# Altium PCB 主控板20160428.PcbDoc (part 4 of 4)
Units mm, origin at the board's own origin, x right, y up, seen from the top; angles counter-clockwise.
Board outline 105 x 80 mm, 4 copper layers (Top Layer, GND, VCC, Bottom Layer); 128 components, 190 nets, 667 pads, 283 vias.
Unrouted connection lines stored in the file: 2.
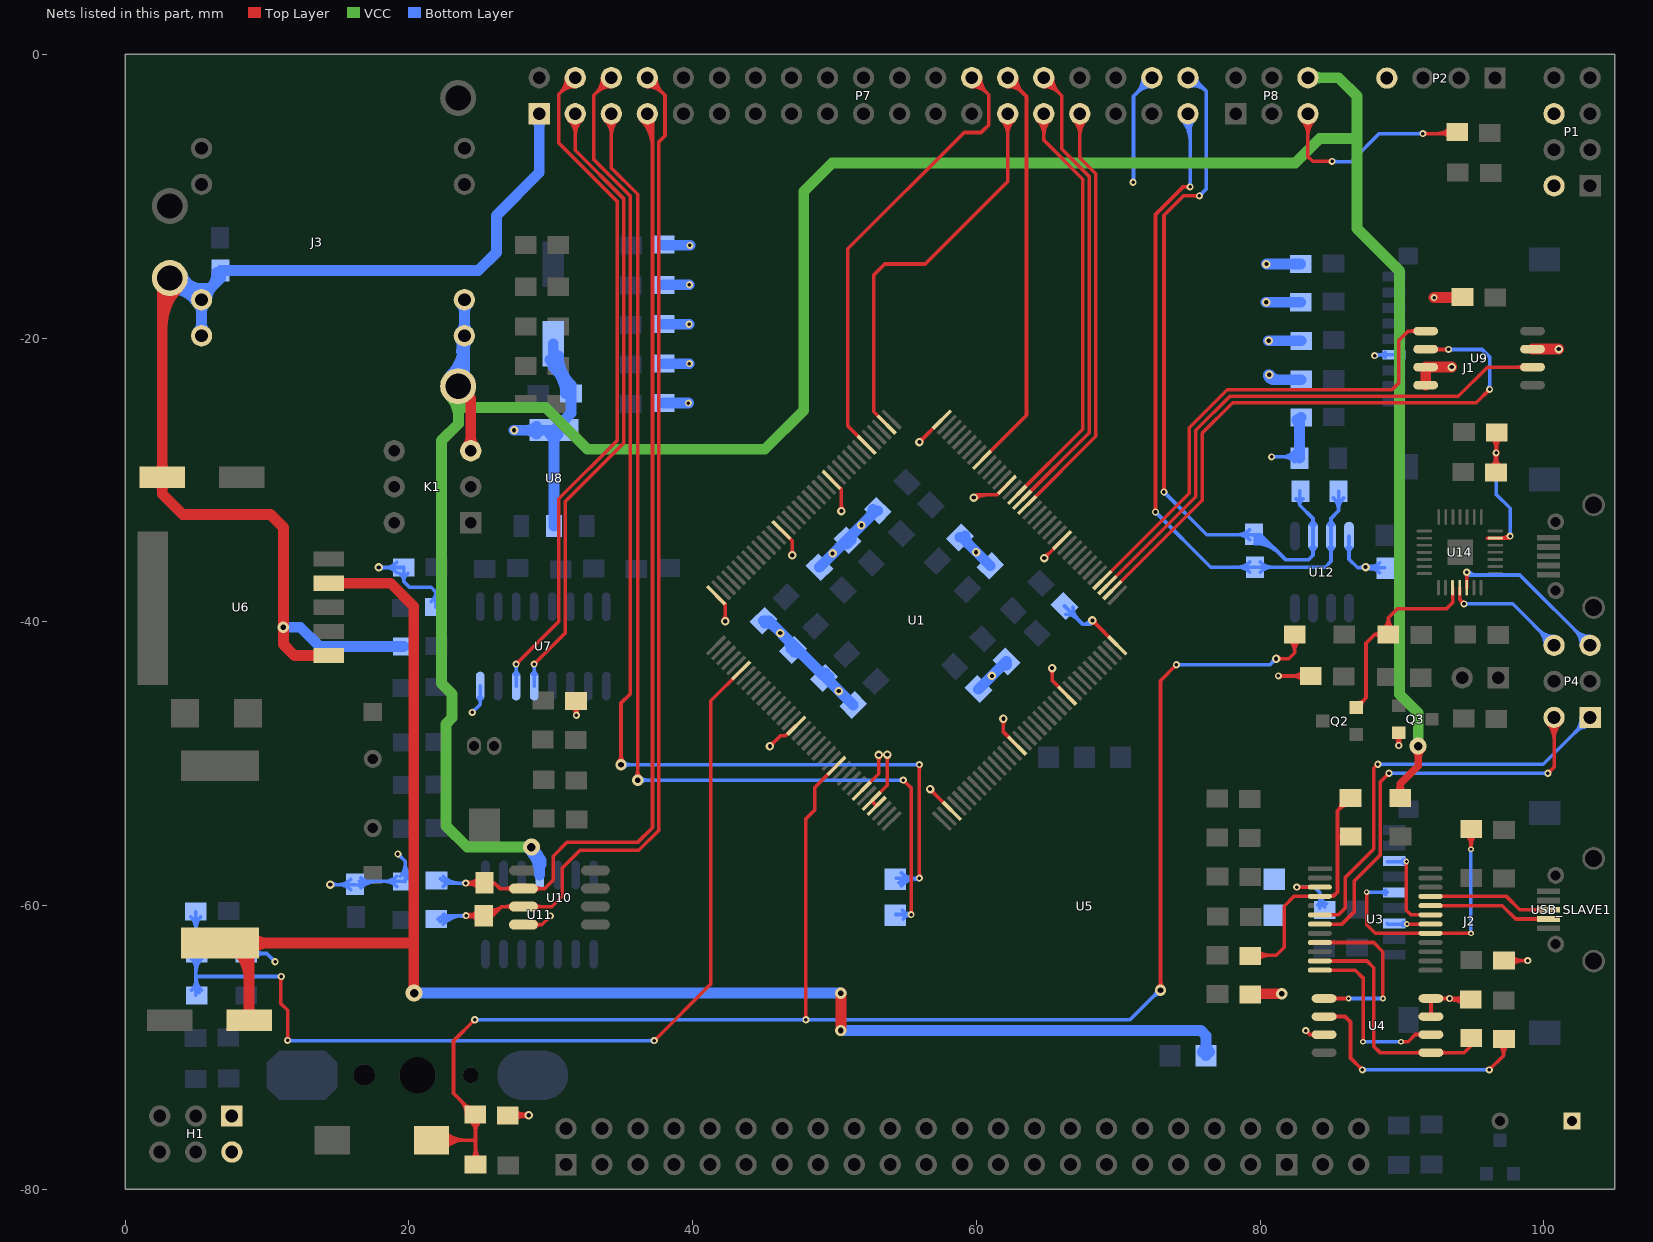
[diagram p6: the nets of this part, all layers, seen from the top]

## Via types
v1: diameter 0.5, hole 0.25, Top Layer to Bottom Layer, 178 vias
v2: diameter 0.6, hole 0.3, Top Layer to Bottom Layer, 54 vias
v3: diameter 1.27, hole 0.711, Top Layer to Bottom Layer, 20 vias
v4: diameter 0.8, hole 0.4, Top Layer to Bottom Layer, 14 vias
v5: diameter 0.406, hole 0.203, Top Layer to Bottom Layer, 12 vias
v6: diameter 1.2, hole 0.6, Top Layer to Bottom Layer, 3 vias
v7: diameter 0.5, hole 0.305, Top Layer to Bottom Layer, 1 vias
v8: diameter 1.5, hole 1, Top Layer to Bottom Layer, 1 vias

## Nets (pads, with @x,y where several pads share a name; then routed paths per layer and width w, separated by ;. In a path a pad name is that pad's centre, name@x,y a point inside that pad or via, vN(x,y) a via of type N, cw(c..) or ccw(c..) an arc to the next point about the centre after c; other vN are vias at no path point) (continued)
RESET: C1.1 D9.1 R4.1 RESET1.1 U1.25 | length 136.9
  Top Layer w0.254: RESET1.1@21.59,-76.53 24.638,-76.53 ; RESET1.1@22.278,-76.968 cw(c23.334,-78.025) 23.334,-76.53 cw(c23.334,-75.036) RESET1.1@22.278,-76.093 ; RESET1.1@22.457,-77.148 cw(c23.948,-78.638) 23.948,-76.53 cw(c23.948,-74.423) RESET1.1@22.457,-75.913 ; 23.605,-73.694 cw(c22.521,-74.778) R4.1@24.054,-74.778 ; 23.911,-74 ccw(c24.562,-73.35) R4.1@24.562,-74.27 ; R4.1@24.038,-74.127 cw(c23.388,-74.778) R4.1@24.308,-74.778 ; R4.1@24.33,-75.137 cw(c23.462,-76.004) 24.689,-76.004 cw(c25.915,-76.004) R4.1@25.048,-75.137 ; C1.1@24.355,-77.949 ccw(c23.549,-77.143) 24.689,-77.143 ; v1@24.515,-68.047 cw(c24.218,-68.047) 24.428,-68.257 cw(c24.638,-68.467) v1@24.638,-68.17 ; v1(24.638,-68.047) 23.139,-69.545 23.139,-73.228 24.689,-74.778 C1.1@24.689,-78.283 ; C1.1@24.689,-77.634 ccw(c25.389,-77.634) C1.1@24.894,-78.129 ; 24.689,-77.02 ccw(c26.002,-77.02) C1.1@25.073,-77.949 ; v1@47.894,-67.96 ccw(c47.684,-67.75) 47.981,-67.75 ccw(c48.278,-67.75) v1@48.068,-67.96 ; v1(47.981,-68.047) 47.981,-53.873 48.616,-53.238 48.616,-51.666 U1.25@50.134,-50.147 ; v4@72.781,-65.771 ccw(c72.315,-65.305) 72.974,-65.305 ccw(c73.633,-65.305) v4@73.167,-65.771 ; v4(72.974,-65.964) 72.974,-44.145 v1(74.092,-43.028) ; v1@73.969,-43.028 cw(c73.672,-43.028) 73.882,-43.238 cw(c74.092,-43.448) v1@74.092,-43.151 ; v2(81.118,-42.596) 82.017,-42.596 82.423,-42.189 D9.1@82.423,-40.894 ; v2@81.24,-42.718 cw(c81.535,-43.013) 81.535,-42.596 cw(c81.535,-42.178) v2@81.24,-42.473 ; D9.1@82.064,-41.253 cw(c81.197,-42.12) 82.423,-42.12 cw(c83.649,-42.12) D9.1@82.782,-41.253
  Bottom Layer w0.254: v1(24.638,-68.047) v1(47.981,-68.047) 70.815,-68.047 v4@72.771,-66.091 ; v1@24.725,-68.134 cw(c24.935,-68.344) 24.935,-68.047 cw(c24.935,-67.75) v1@24.725,-67.96 ; v1@47.894,-68.134 ccw(c47.684,-68.344) 47.684,-68.047 ccw(c47.684,-67.75) v1@47.894,-67.96 ; v1@48.068,-68.134 cw(c48.278,-68.344) 48.278,-68.047 cw(c48.278,-67.75) v1@48.068,-67.96 ; 72.378,-66.484 cw(c72.974,-67.08) v4@72.974,-66.237 ; 72.562,-66.3 ccw(c72.226,-65.964) v4@72.701,-65.964 ; v1(74.092,-43.028) 80.686,-43.028 v2(81.118,-42.596) ; v1@74.179,-43.115 cw(c74.389,-43.325) 74.389,-43.028 cw(c74.389,-42.731) v1@74.179,-42.941 ; v2@80.945,-42.596 cw(c80.527,-42.596) 80.822,-42.891 cw(c81.118,-43.186) v2@81.118,-42.769
RS485_1A: P7.7 R32.1 R33.1 U10.6 | length 82
  Top Layer w0.254: v1(24.003,-58.42) 25.273,-58.42 26.035,-58.42 ; v1@24.065,-58.527 cw(c24.232,-58.817) 24.319,-58.493 ; v1@24.064,-58.313 ccw(c24.232,-58.023) 24.319,-58.347 ; v1@24.09,-58.507 cw(c24.3,-58.717) 24.3,-58.42 cw(c24.3,-58.123) v1@24.09,-58.333 ; v1@24.11,-58.481 cw(c24.333,-58.611) 24.266,-58.361 ; v1@24.11,-58.358 ccw(c24.333,-58.229) 24.266,-58.479 ; R33.1@24.914,-58.779 ccw(c24.047,-59.646) 24.047,-58.42 ccw(c24.047,-57.194) R33.1@24.914,-58.061 ; R33.1@25.742,-58.615 cw(c26.035,-58.737) 26.035,-58.42 ; R33.1@25.742,-58.225 ccw(c26.035,-58.103) 26.035,-58.42 ; U10.6@27.245,-58.963 ccw(c26.855,-59.353) 26.855,-58.801 ccw(c26.855,-58.249) U10.6@27.245,-58.639 ; U10.6@28.889,-58.963 cw(c29.279,-59.353) 29.279,-58.801 cw(c29.279,-58.249) U10.6@28.889,-58.639 ; P7.7@36.364,-4.632 cw(c34.432,-6.563) 37.164,-6.563 ; P7.7@36.544,-4.452 cw(c35.046,-5.95) 37.164,-5.95 ; P7.7@36.723,-4.272 cw(c35.659,-5.337) 37.164,-5.337 ; P7.7@36.805,-4.191 37.164,-4.551 37.164,-54.504 36.144,-55.524 31.166,-55.524 30.175,-56.515 30.175,-58.191 29.566,-58.801 U10.6@28.067,-58.801 26.416,-58.801 26.035,-58.42
  Bottom Layer w0.254: R32.1@22.227,-58.113 ccw(c22.967,-57.373) 22.967,-58.42 ccw(c22.967,-59.213) R32.1@22.406,-58.652 ; R32.1@22.406,-57.934 ccw(c23.58,-56.76) 23.58,-58.42 ; R32.1@22.606,-58.42 v1(24.003,-58.42) ; v1@23.916,-58.507 ccw(c23.706,-58.717) 23.706,-58.42 ccw(c23.706,-58.123) v1@23.916,-58.333
RS485_1B: P7.8 R33.2 R34.2 U10.7 | length 90.1
  Top Layer w0.254: v1(24.028,-60.706) R33.2@25.273,-60.706 25.908,-60.706 26.543,-60.071 ; v1@24.09,-60.813 cw(c24.246,-61.084) 24.327,-60.781 ; v1@24.09,-60.599 ccw(c24.246,-60.328) 24.327,-60.631 ; v1@24.115,-60.793 cw(c24.325,-61.003) 24.325,-60.706 cw(c24.325,-60.409) v1@24.115,-60.619 ; v1@24.135,-60.767 cw(c24.378,-60.908) 24.305,-60.637 ; v1@24.135,-60.645 ccw(c24.378,-60.504) 24.305,-60.775 ; R33.2@24.914,-61.065 ccw(c24.047,-61.932) 24.047,-60.706 ccw(c24.047,-59.48) R33.2@24.914,-60.347 ; R33.2@25.129,-60.788 ccw(c25.47,-60.293) R33.2@25.896,-60.718 ; R33.2@25.273,-60.579 ccw(c25.646,-60.037) 26.112,-60.502 ; R33.2@25.417,-60.37 ccw(c25.822,-59.782) 26.327,-60.287 ; R33.2@25.561,-60.161 ccw(c25.998,-59.526) 26.543,-60.071 ; U10.7@27.245,-60.233 ccw(c26.855,-60.623) 26.855,-60.071 ccw(c26.855,-59.519) U10.7@27.245,-59.909 ; U10.7@28.889,-60.233 cw(c29.279,-60.623) 29.279,-60.071 cw(c29.279,-59.519) U10.7@28.889,-59.909 ; P7.8@36.805,-2.274 cw(c36.805,-3.778) 37.868,-2.715 cw(c38.932,-1.651) P7.8@37.428,-1.651 ; P7.8@36.805,-2.02 cw(c36.805,-2.911) 37.435,-2.281 cw(c38.064,-1.651) P7.8@37.174,-1.651 ; P7.8@36.805,-1.651 38.049,-2.896 38.049,-5.74 37.621,-6.168 37.621,-54.694 36.207,-56.109 32.055,-56.109 30.81,-57.353 30.81,-59.334 30.074,-60.071 U10.7@28.067,-60.071 26.543,-60.071
  Bottom Layer w0.254: R34.2@22.047,-60.96 cw(c22.66,-61.573) R34.2@22.66,-60.706 ; R34.2@22.227,-61.14 cw(c23.274,-62.186) 23.274,-60.706 ; R34.2@22.406,-61.319 cw(c23.887,-62.8) v1@23.887,-60.706 ; R34.2@22.479,-60.96 22.733,-60.706 v1(24.028,-60.706) ; 23.662,-60.754 cw(c23.745,-61.142) v1@23.961,-60.809 ; v1@23.941,-60.793 ccw(c23.731,-61.003) 23.731,-60.706 ccw(c23.731,-60.409) v1@23.941,-60.619 ; R34.2@22.66,-60.706 cw(c22.66,-60.347) 22.406,-60.601 ccw(c22.66,-60.347) R34.2@22.66,-60.706
RS485_2A: P7.38 R37.1 R38.1 U12.6 | length 63.2
  Top Layer w0.254: v1@73.129,-30.761 ccw(c72.919,-30.551) 73.215,-30.551 ccw(c73.512,-30.551) v1@73.302,-30.761 ; v1(73.215,-30.848) 73.215,-11.335 74.569,-9.982 v1(75.717,-9.982) ; v1@75.63,-10.069 ccw(c75.42,-10.279) 75.42,-9.982 ccw(c75.42,-9.685) v1@75.63,-9.895
  Bottom Layer w0.254: v1@73.215,-30.971 cw(c73.215,-31.268) 73.425,-31.058 cw(c73.635,-30.848) v1@73.338,-30.848 ; v1(73.215,-30.848) 76.225,-33.858 79.629,-33.858 80.035,-33.858 81.813,-35.636 83.388,-35.636 83.718,-35.306 U12.6@83.718,-33.96 83.718,-32.715 82.779,-31.775 ; P7.38@74.905,-1.651 75.26,-1.651 76.2,-2.591 ; P7.38@74.987,-2.011 cw(c75.2,-2.941) 75.875,-2.266 ; P7.38@75.044,-2.258 cw(c75.321,-3.469) 76.2,-2.591 ; P7.38@75.528,-1.651 ccw(c76.173,-1.651) 75.717,-2.107 ; v1(75.717,-9.982) 76.2,-9.5 76.2,-2.591 ; v1@75.717,-9.859 ccw(c75.717,-9.562) 75.927,-9.772 ccw(c76.137,-9.982) v1@75.84,-9.982 ; R38.1@79.27,-34.217 ccw(c78.403,-35.085) 78.403,-33.858 ccw(c78.403,-32.632) R38.1@79.27,-33.499 ; R38.1@79.629,-34.493 cw(c79.629,-37.007) 81.407,-35.23 ; R38.1@79.629,-34.239 cw(c79.629,-36.14) 80.973,-34.796 ; R38.1@79.629,-33.985 cw(c79.629,-35.273) 80.54,-34.362 ; R37.1@82.521,-31.324 cw(c82.255,-31.775) 82.779,-31.775 ; R37.1@82.779,-30.759 82.779,-31.775 ; R37.1@83.036,-31.324 ccw(c83.302,-31.775) 82.779,-31.775 ; U12.6@83.557,-34.782 cw(c83.167,-35.172) 83.718,-35.172 cw(c84.27,-35.172) U12.6@83.88,-34.782 ; U12.6@83.557,-33.138 ccw(c83.167,-32.748) 83.718,-32.748 ccw(c84.27,-32.748) U12.6@83.88,-33.138
RS485_2B: P7.37 R38.2 R39.2 U12.7 | length 61.6
  Top Layer w0.254: v1@72.532,-32.171 ccw(c72.322,-31.961) 72.619,-31.961 ccw(c72.916,-31.961) v1@72.706,-32.171 ; v1(72.619,-32.258) 72.619,-11.286 74.557,-9.347 v1(75.057,-9.347) ; v1@74.97,-9.434 ccw(c74.76,-9.644) 74.76,-9.347 ccw(c74.76,-9.05) v1@74.97,-9.26
  Bottom Layer w0.254: v1@72.619,-32.381 cw(c72.619,-32.678) 72.829,-32.468 cw(c73.039,-32.258) v1@72.742,-32.258 ; v1(72.619,-32.258) 76.505,-36.144 R38.2@79.629,-36.144 84.582,-36.144 84.988,-35.738 U12.7@84.988,-33.96 84.988,-32.715 85.522,-32.182 R39.2@85.522,-30.785 ; P7.37@74.464,-4.632 cw(c73.033,-6.063) 75.057,-6.063 ; P7.37@74.644,-4.452 cw(c73.646,-5.45) 75.057,-5.45 ; P7.37@74.905,-4.191 75.057,-4.343 v1(75.057,-9.347) ; v1@74.97,-9.26 ccw(c74.76,-9.05) 75.057,-9.05 ccw(c75.354,-9.05) v1@75.144,-9.26 ; 75.057,-5.327 cw(c76.041,-5.327) P7.37@75.345,-4.632 ; R38.2@79.27,-36.503 ccw(c78.403,-37.371) 78.403,-36.144 ccw(c78.403,-34.918) R38.2@79.27,-35.785 ; R38.2@79.988,-36.503 cw(c80.855,-37.371) 80.855,-36.144 cw(c80.855,-34.918) R38.2@79.988,-35.785 ; U12.7@84.827,-34.782 cw(c84.437,-35.172) 84.988,-35.172 cw(c85.54,-35.172) U12.7@85.15,-34.782 ; U12.7@84.827,-33.138 ccw(c84.437,-32.748) 84.988,-32.748 ccw(c85.54,-32.748) U12.7@85.15,-33.138 ; R39.2@85.163,-31.271 cw(c84.295,-32.138) 85.522,-32.138 cw(c86.748,-32.138) R39.2@85.881,-31.271
RTS: Q2.1 R29.2 U14.24 | length 17.8
  Top Layer w0.254: Q2.1@86.773,-46.04 87.452,-45.361 87.452,-41.504 88.062,-40.894 ; Q2.1@86.798,-45.717 ccw(c86.798,-44.998) 87.307,-45.506 ; Q2.1@87.121,-46.04 cw(c87.961,-46.04) 87.367,-45.446 ; R29.2@88.45,-41.129 ccw(c88.062,-41.331) 88.062,-40.894 ; R29.2@88.45,-40.659 cw(c88.062,-40.457) 88.062,-40.894 ; R29.2@88.681,-40.522 ccw(c87.937,-39.726) 89.027,-39.726 ; R29.2@89.373,-40.522 cw(c90.117,-39.726) 89.027,-39.726 ; U14.24@93.558,-37.592 93.558,-38.649 93.116,-39.091 89.662,-39.091 89.027,-39.726 ; 88.062,-40.894 R29.2@89.027,-40.894 89.027,-39.726
RXD: P4.6 U14.25 | length 13.5
  Top Layer w0.254: U14.25@94.056,-37.617 94.056,-38.43 v1(94.361,-38.735) ; v1@94.238,-38.735 ccw(c93.941,-38.735) 94.151,-38.525 ccw(c94.361,-38.315) v1@94.361,-38.612
  Bottom Layer w0.254: v1(94.361,-38.735) 97.79,-38.735 P4.6@100.711,-41.656 ; v1@94.448,-38.822 cw(c94.658,-39.032) 94.658,-38.735 cw(c94.658,-38.438) v1@94.448,-38.648 ; P4.6@100.088,-41.656 ccw(c98.584,-41.656) 99.647,-40.592 ccw(c100.711,-39.529) P4.6@100.711,-41.033 ; P4.6@100.342,-41.656 ccw(c99.451,-41.656) 100.081,-41.026 ccw(c100.711,-40.396) P4.6@100.711,-41.287
SDCLK: J2.5 R16.2 U3.17 | length 22.3
  Top Layer w0.254: v5(87.503,-59.055) 87.503,-61.341 88.116,-61.954 U3.17@92.001,-61.954 v5(94.847,-61.954) v5@94.869,-61.976 ; R16.2@94.51,-54.969 cw(c93.696,-55.783) 94.847,-55.783 ; v5(94.847,-56.029) 94.847,-54.632 R16.2@94.869,-54.61 ; v5@94.847,-55.89 cw(c96.149,-55.89) R16.2@95.228,-54.969 ; 94.847,-55.276 cw(c95.535,-55.276) R16.2@95.049,-54.79 ; 94.882,-55.758 ccw(c95.179,-55.837) v5@94.913,-55.991
  Bottom Layer w0.254: v5(87.503,-59.055) 88.932,-59.055 J2.5@88.941,-59.064 ; 88.439,-59.055 cw(c88.439,-59.624) J2.5@88.841,-59.222 ; 88.482,-59.055 ccw(c88.482,-58.547) J2.5@88.841,-58.906 ; v5(94.847,-61.954) v5(94.847,-56.029)
SDCMD: J2.3 U3.18 | length 3.7
  Top Layer w0.254: v5(90.334,-61.304) U3.18@92.001,-61.304
  Bottom Layer w0.254: J2.3@88.941,-61.264 88.981,-61.304 v5(90.334,-61.304) ; J2.3@90.058,-61.42 cw(c90.334,-61.689) v5(90.334,-61.304) ; J2.3@90.096,-61.16 ccw(c90.334,-61.036) v5(90.334,-61.304)
SDDAT: J2.7 U3.19 | length 7.1
  Top Layer w0.254: v5(90.297,-56.896) 90.297,-60.325 90.626,-60.654 U3.19@92.001,-60.654
  Bottom Layer w0.254: J2.7@88.973,-56.896 v5(90.297,-56.896) ; J2.7@90.073,-57.004 cw(c90.297,-57.183) v5(90.297,-56.896) ; J2.7@90.102,-56.771 ccw(c90.297,-56.681) v5(90.297,-56.896)
SPE+: P7.5 U5.3 | length 87.3
  Top Layer w0.254: P7.5@33.824,-4.632 cw(c32.761,-5.695) 34.265,-5.695 cw(c35.769,-5.695) P7.5@34.705,-4.632 ; P7.5@34.004,-4.452 cw(c33.374,-5.082) 34.265,-5.082 cw(c35.155,-5.082) P7.5@34.526,-4.452 ; P7.5@34.265,-4.191 34.265,-8.017 36.119,-9.871 v4(36.119,-51.156) ; v4@35.926,-50.963 ccw(c35.46,-50.497) 36.119,-50.497 ccw(c36.778,-50.497) v4@36.312,-50.963 ; v1@54.839,-51.279 cw(c54.839,-51.576) 55.049,-51.366 cw(c55.259,-51.156) v1@54.962,-51.156 ; v1(54.839,-51.156) 55.397,-51.714 v1(55.397,-60.63) ; v1@55.31,-60.543 ccw(c55.1,-60.333) 55.397,-60.333 ccw(c55.694,-60.333) v1@55.484,-60.543
  Bottom Layer w0.254: v4(36.119,-51.156) v1(54.839,-51.156) ; v4@36.312,-51.349 cw(c36.778,-51.815) 36.778,-51.156 cw(c36.778,-50.497) v4@36.312,-50.963 ; U5.3@54.331,-60.63 v1(55.397,-60.63) ; v1@54.752,-51.243 ccw(c54.542,-51.453) 54.542,-51.156 ccw(c54.542,-50.859) v1@54.752,-51.069 ; U5.3@54.785,-60.316 ccw(c55.397,-59.875) v1(55.397,-60.63) ; U5.3@54.831,-60.971 cw(c55.397,-61.27) v1(55.397,-60.63) ; v1@55.291,-60.691 ccw(c55.034,-60.84) 55.111,-60.553 ccw(c55.187,-60.266) v1@55.336,-60.523 ; v1@55.291,-60.568 cw(c55.034,-60.42) 55.111,-60.707 cw(c55.187,-60.994) v1@55.336,-60.736 ; v1@55.31,-60.717 ccw(c55.1,-60.927) 55.1,-60.63 ccw(c55.1,-60.333) v1@55.31,-60.543
SPE-: P7.6 U5.4 | length 92.4
  Top Layer w0.254: P7.6@33.642,-1.651 cw(c32.138,-1.651) 33.201,-2.715 cw(c34.265,-3.778) P7.6@34.265,-2.274 ; P7.6@33.896,-1.651 cw(c33.005,-1.651) 33.635,-2.281 cw(c34.265,-2.911) P7.6@34.265,-2.02 ; P7.6@34.265,-1.651 33.02,-2.896 33.02,-7.419 35.611,-10.01 35.611,-45.06 34.95,-45.72 v4(34.95,-50.063) ; v4@34.757,-49.87 ccw(c34.291,-49.404) 34.95,-49.404 ccw(c35.609,-49.404) v4@35.143,-49.87 ; v1@55.895,-57.977 ccw(c55.685,-57.767) 55.982,-57.767 ccw(c56.279,-57.767) v1@56.069,-57.977 ; v1@55.895,-50.15 cw(c55.685,-50.36) 55.982,-50.36 cw(c56.279,-50.36) v1@56.069,-50.15 ; v1(55.982,-58.064) v1(55.982,-50.063)
  Bottom Layer w0.254: v4(34.95,-50.063) v1(55.982,-50.063) ; v4@35.143,-50.256 cw(c35.609,-50.722) 35.609,-50.063 cw(c35.609,-49.404) v4@35.143,-49.87 ; U5.4@54.356,-58.064 v1(55.982,-58.064) ; U5.4@54.541,-58.402 cw(c55.355,-59.215) 55.355,-58.064 ; U5.4@54.72,-58.581 cw(c55.968,-59.829) v1@55.968,-58.064 ; U5.4@54.72,-57.7 ccw(c55.6,-56.821) 55.6,-58.064 ; 55.686,-58.14 cw(c55.766,-58.439) v1@55.92,-58.171 ; 55.702,-58.136 ccw(c55.628,-57.861) v1@55.875,-58.003 ; v1@55.895,-58.151 ccw(c55.685,-58.361) 55.685,-58.064 ccw(c55.685,-57.767) v1@55.895,-57.977 ; v1@55.895,-50.15 ccw(c55.685,-50.36) 55.685,-50.063 ccw(c55.685,-49.766) v1@55.895,-49.976
SPI2_MISO: U1.75 U9.2 | length 39.7
  Top Layer w0.254: U1.75@69.226,-37.419 75.463,-31.182 75.463,-26.506 77.865,-24.105 93.955,-24.105 96.012,-22.047 U9.2@99.196,-22.047 ; U9.2@98.498,-22.17 ccw(c98.203,-22.465) 98.203,-22.047 ccw(c98.203,-21.63) U9.2@98.498,-21.925
SPI2_MOSI: U1.76 U9.5 | length 35.2
  Top Layer w0.254: U1.76@68.873,-37.066 75.006,-30.932 75.006,-26.317 77.675,-23.647 89.281,-23.647 89.764,-23.165 89.764,-20.168 90.424,-19.507 U9.5@91.66,-19.507 ; U9.5@90.962,-19.63 ccw(c90.667,-19.925) 90.667,-19.507 ccw(c90.667,-19.09) U9.5@90.962,-19.385
SPI2_SCK: U1.74 U9.6 | length 44.8
  Top Layer w0.254: U1.74@69.58,-37.773 75.921,-31.432 75.921,-26.695 78.054,-24.562 95.225,-24.562 v1(96.164,-23.622) ; U9.6@91.66,-20.777 91.685,-20.803 v1(93.269,-20.803) ; U9.6@92.357,-20.9 cw(c92.591,-21.134) 92.591,-20.803 ; U9.6@92.357,-20.655 ccw(c92.714,-20.298) 92.714,-20.803 ; v1@93.182,-20.89 ccw(c92.972,-21.1) 92.972,-20.803 ccw(c92.972,-20.506) v1@93.182,-20.716 ; v1@96.041,-23.622 cw(c95.744,-23.622) 95.954,-23.832 cw(c96.164,-24.042) v1@96.164,-23.745
  Bottom Layer w0.254: v1(93.269,-20.803) 95.631,-20.803 96.164,-21.336 v1(96.164,-23.622) ; v1@93.356,-20.89 cw(c93.566,-21.1) 93.566,-20.803 cw(c93.566,-20.506) v1@93.356,-20.716 ; v1@96.077,-23.535 ccw(c95.867,-23.325) 96.164,-23.325 ccw(c96.461,-23.325) v1@96.251,-23.535
SPICS: U3.9 U4.1 | length 12.8
  Top Layer w0.254: U3.9@84.201,-62.604 88.004,-62.604 88.646,-63.246 v5(88.646,-66.548) ; U4.1@84.497,-66.548 v5(86.233,-66.548) ; U4.1@85.194,-66.67 cw(c85.49,-66.966) 85.49,-66.548 cw(c85.49,-66.13) U4.1@85.194,-66.426
  Bottom Layer w0.254: v5(86.233,-66.548) v5(88.646,-66.548)
SPIDI: R23.1 U4.2 | length 21.8
  Top Layer w0.254: U4.2@84.497,-67.818 85.979,-67.818 86.36,-68.199 86.36,-70.739 v1(87.198,-71.577) ; U4.2@85.194,-67.94 cw(c85.49,-68.236) 85.49,-67.818 cw(c85.49,-67.4) U4.2@85.194,-67.696 ; v1@87.075,-71.577 ccw(c86.778,-71.577) 86.988,-71.367 ccw(c87.198,-71.157) v1@87.198,-71.454 ; v1(96.139,-71.577) 97.155,-70.561 ; v1@96.139,-71.454 ccw(c96.139,-71.157) 96.349,-71.367 ccw(c96.559,-71.577) v1@96.262,-71.577 ; R23.1@96.797,-69.703 cw(c95.946,-70.561) 97.155,-70.561 ; R23.1@97.155,-69.342 97.155,-70.561 ; R23.1@97.513,-69.703 ccw(c98.364,-70.561) 97.155,-70.561
  Bottom Layer w0.254: v1(87.198,-71.577) v1(96.139,-71.577) ; v1@87.285,-71.664 cw(c87.495,-71.874) 87.495,-71.577 cw(c87.495,-71.28) v1@87.285,-71.49 ; v1@96.052,-71.664 ccw(c95.842,-71.874) 95.842,-71.577 ccw(c95.842,-71.28) v1@96.052,-71.49
SPIDO: R23.2 U3.11 U4.5 | length 18.6
  Top Layer w0.254: U3.11@84.201,-63.904 87.526,-63.904 88.011,-64.389 88.011,-69.926 88.443,-70.358 U4.5@92.033,-70.358 94.386,-70.358 94.869,-69.875 R23.2@94.869,-69.342 ; U4.5@91.336,-70.48 ccw(c91.04,-70.776) 91.04,-70.358 ccw(c91.04,-69.94) U4.5@91.336,-70.236 ; U4.5@92.73,-70.48 cw(c93.026,-70.776) 93.026,-70.358 cw(c93.026,-69.94) U4.5@92.73,-70.236
SPISCK: U3.12 U4.6 | length 13.4
  Top Layer w0.254: U3.12@84.201,-64.554 86.703,-64.554 87.249,-65.1 v5(87.249,-69.596) ; v5(89.916,-69.596) 90.424,-69.596 90.932,-69.088 U4.6@92.033,-69.088 ; U4.6@91.336,-69.21 ccw(c91.04,-69.506) 91.04,-69.088 ccw(c91.04,-68.67) U4.6@91.336,-68.966
  Bottom Layer w0.254: v5(87.249,-69.596) v5(89.916,-69.596)
SSD_KC1: P7.28 U1.100 | length 32.5
  Top Layer w0.254: U1.100@60.388,-28.58 63.525,-25.443 63.525,-2.972 P7.28@62.205,-1.651 ; P7.28@62.205,-2.274 cw(c62.205,-3.778) 63.268,-2.715 cw(c64.332,-1.651) P7.28@62.828,-1.651 ; P7.28@62.205,-2.02 cw(c62.205,-2.911) 62.835,-2.281 cw(c63.464,-1.651) P7.28@62.574,-1.651
SSD_KC2: P7.27 U1.110 | length 31.6
  Top Layer w0.254: U1.110@53.67,-26.106 52.756,-25.191 52.756,-15.559 53.532,-14.783 56.388,-14.783 62.205,-8.966 P7.27@62.205,-4.191 ; P7.27@61.764,-4.632 cw(c60.701,-5.695) 62.205,-5.695 cw(c63.709,-5.695) P7.27@62.645,-4.632 ; P7.27@61.944,-4.452 cw(c61.314,-5.082) 62.205,-5.082 cw(c63.095,-5.082) P7.27@62.466,-4.452
SSD_KC3: P7.26 U1.114 | length 35.5
  Top Layer w0.254: U1.114@52.256,-27.52 50.927,-26.191 50.927,-13.714 59.129,-5.512 60.325,-5.512 60.858,-4.978 60.858,-2.845 P7.26@59.665,-1.651 ; P7.26@59.665,-2.274 cw(c59.665,-3.778) 60.728,-2.715 cw(c61.792,-1.651) P7.26@60.288,-1.651 ; P7.26@59.665,-2.02 cw(c59.665,-2.911) 60.295,-2.281 cw(c60.924,-1.651) P7.26@60.034,-1.651
TXD: P4.5 U14.26 | length 16.9
  Top Layer w0.254: v1@94.471,-36.593 cw(c94.261,-36.803) 94.558,-36.803 cw(c94.855,-36.803) v1@94.645,-36.593 ; U14.26@94.558,-37.592 v1(94.558,-36.506)
  Bottom Layer w0.254: v1(94.558,-36.506) 94.75,-36.699 98.294,-36.699 P4.5@103.251,-41.656 ; v1@94.645,-36.419 ccw(c95.32,-35.744) 95.32,-36.699 ; P4.5@102.628,-41.656 ccw(c101.124,-41.656) 102.187,-40.592 ccw(c103.251,-39.529) P4.5@103.251,-41.033 ; P4.5@102.882,-41.656 ccw(c101.991,-41.656) 102.621,-41.026 ccw(c103.251,-40.396) P4.5@103.251,-41.287
TXX_KC1: P7.31 U1.91 | length 33.8
  Top Layer w0.254: U1.91@63.569,-31.762 68.415,-26.917 68.415,-8.422 67.285,-7.292 P7.31@67.285,-4.191 ; P7.31@66.844,-4.632 cw(c65.781,-5.695) 67.285,-5.695 cw(c68.789,-5.695) P7.31@67.725,-4.632 ; P7.31@67.024,-4.452 cw(c66.394,-5.082) 67.285,-5.082 cw(c68.175,-5.082) P7.31@67.546,-4.452
TXX_KC2: P7.30 U1.92 | length 36.8
  Top Layer w0.254: U1.92@63.216,-31.409 67.958,-26.667 67.958,-8.612 66.015,-6.669 66.015,-2.921 P7.30@64.745,-1.651 ; P7.30@64.745,-2.274 cw(c64.745,-3.778) 65.808,-2.715 cw(c66.872,-1.651) P7.30@65.368,-1.651 ; P7.30@64.745,-2.02 cw(c64.745,-2.911) 65.375,-2.281 cw(c66.004,-1.651) P7.30@65.114,-1.651
TXX_KC3: P7.29 U1.93 | length 33.7
  Top Layer w0.254: U1.93@62.862,-31.055 67.501,-26.417 67.501,-8.801 64.745,-6.045 P7.29@64.745,-4.191 ; P7.29@64.304,-4.632 cw(c63.241,-5.695) 64.745,-5.695 cw(c66.249,-5.695) P7.29@65.185,-4.632 ; P7.29@64.484,-4.452 cw(c63.854,-5.082) 64.745,-5.082 cw(c65.635,-5.082) P7.29@65.006,-4.452
U2_RX: P7.3 U7.13 | length 49.7
  Top Layer w0.254: v1(28.829,-42.977) 31.013,-40.792 31.013,-31.521 35.154,-27.381 35.154,-10.199 31.725,-6.77 P7.3@31.725,-4.191 ; v1@28.829,-42.854 ccw(c28.829,-42.557) 29.039,-42.767 ccw(c29.249,-42.977) v1@28.952,-42.977 ; P7.3@31.284,-4.632 cw(c30.221,-5.695) 31.725,-5.695 cw(c33.229,-5.695) P7.3@32.165,-4.632 ; P7.3@31.464,-4.452 cw(c30.834,-5.082) 31.725,-5.082 cw(c32.615,-5.082) P7.3@31.986,-4.452
  Bottom Layer w0.254: U7.13@28.703,-43.689 ccw(c28.4,-43.386) 28.829,-43.386 ccw(c29.258,-43.386) U7.13@28.955,-43.689 ; v1@28.742,-43.064 cw(c28.532,-43.274) 28.829,-43.274 cw(c29.126,-43.274) v1@28.916,-43.064 ; U7.13@28.829,-44.526 v1(28.829,-42.977)
U2_TX: P7.4 U7.14 | length 53.4
  Top Layer w0.254: v1(27.559,-42.977) 30.556,-39.98 30.556,-31.332 34.696,-27.192 34.696,-10.389 30.556,-6.248 30.556,-2.819 P7.4@31.725,-1.651 ; v1@27.559,-42.854 ccw(c27.559,-42.557) 27.769,-42.767 ccw(c27.979,-42.977) v1@27.682,-42.977 ; P7.4@31.102,-1.651 cw(c29.598,-1.651) 30.661,-2.715 cw(c31.725,-3.778) P7.4@31.725,-2.274 ; P7.4@31.356,-1.651 cw(c30.465,-1.651) 31.095,-2.281 cw(c31.725,-2.911) P7.4@31.725,-2.02
  Bottom Layer w0.254: U7.14@27.433,-43.689 ccw(c27.13,-43.386) 27.559,-43.386 ccw(c27.988,-43.386) U7.14@27.685,-43.689 ; v1@27.472,-43.064 cw(c27.262,-43.274) 27.559,-43.274 cw(c27.856,-43.274) v1@27.646,-43.064 ; U7.14@27.559,-44.526 v1(27.559,-42.977)